# Altium PCB mod_duo_dwarf.PcbDoc (part 3 of 3)
Units mm, origin at the board's own origin, x right, y up, seen from the top; angles counter-clockwise.
Board outline 193.02 x 75.32 mm, 2 copper layers (Top Layer, Bottom Layer), stack 1.579 mm thick; 179 components, 157 nets, 691 pads, 335 vias.
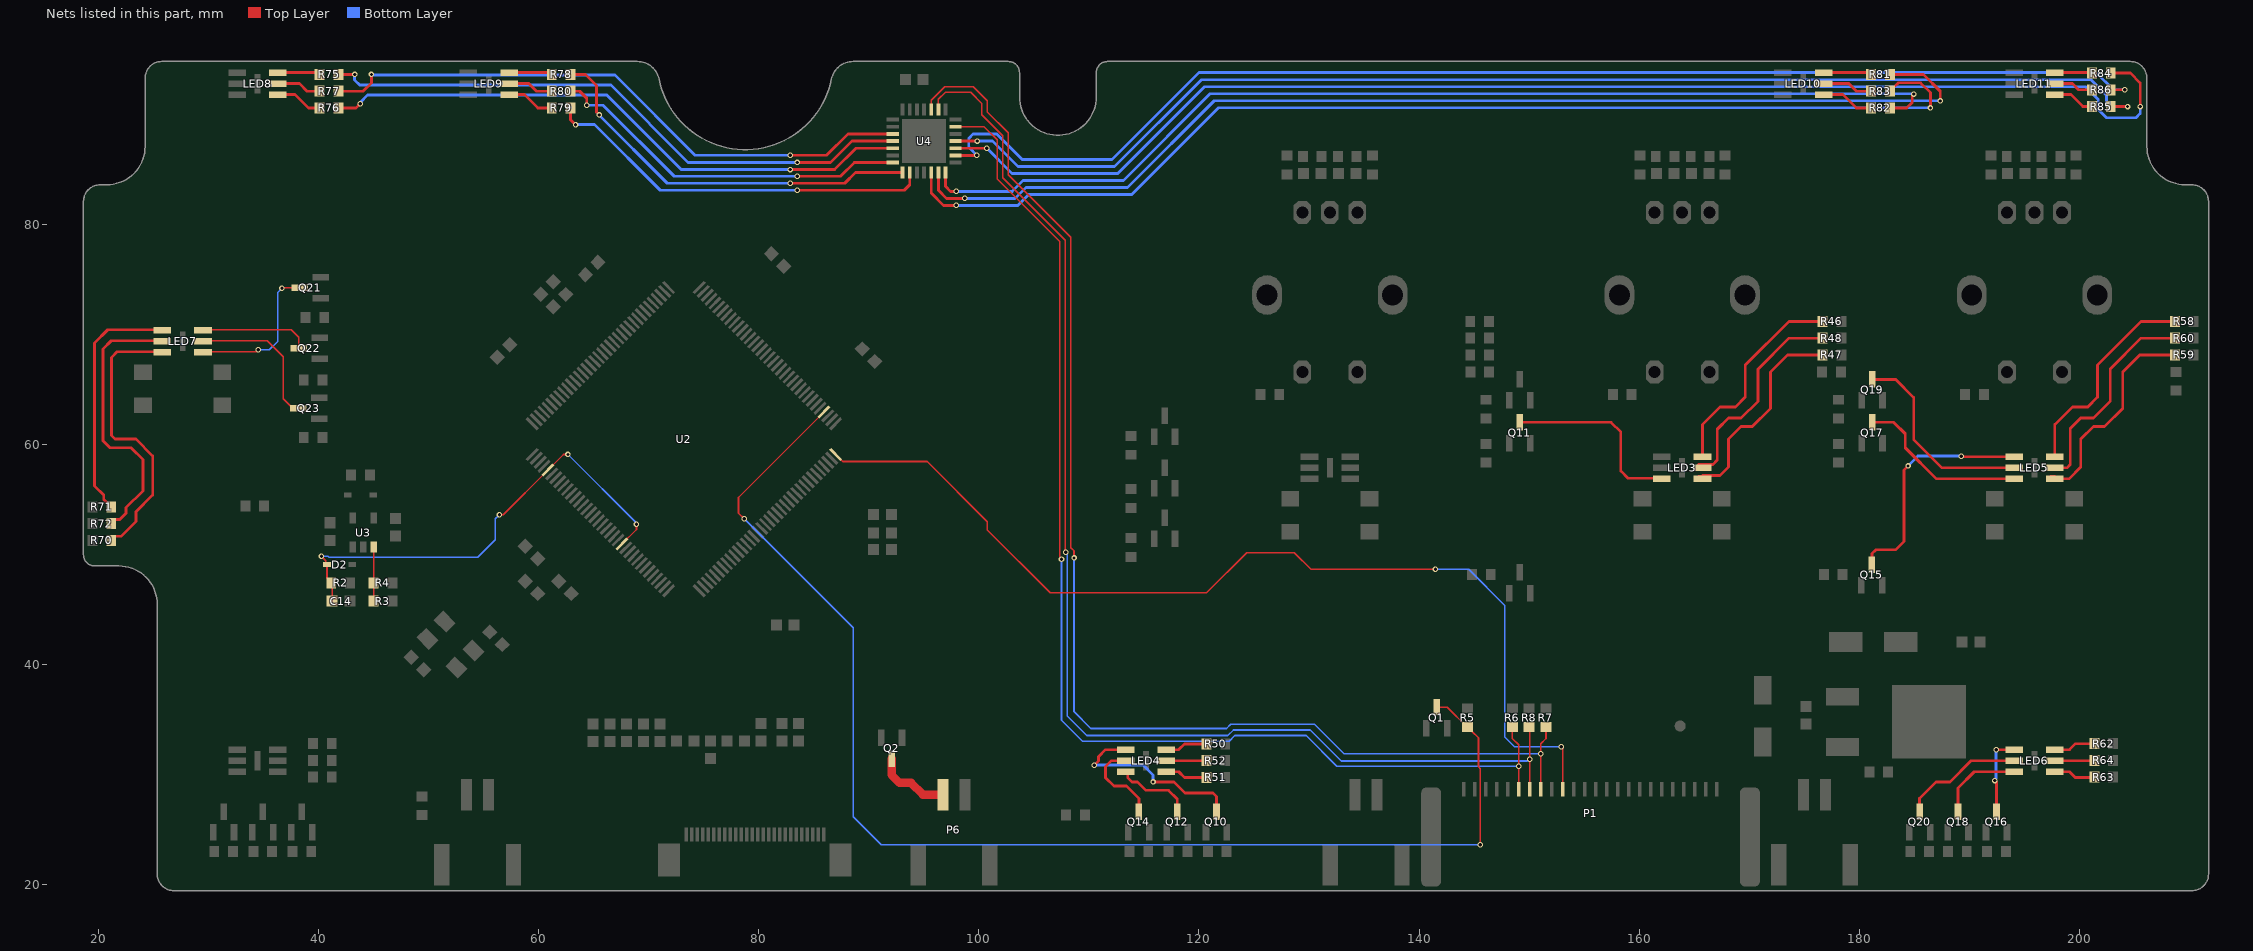
[diagram p3: the nets of this part, all layers, seen from the top]

## Via types
v1: diameter 0.5, hole 0.3, Top Layer to Bottom Layer, tented both sides, 335 vias

## Nets (pads, with @x,y where several pads share a name; then routed paths per layer and width w, separated by ;. In a path a pad name is that pad's centre, name@x,y a point inside that pad or via, vN(x,y) a via of type N, cw(c..) or ccw(c..) an arc to the next point about the centre after c; other vN are vias at no path point) (continued)
NetLED3_3: LED3.3 Q11.3 | length 17.1
  Top Layer w0.254: Q11.3@149.135,62 157.426,62 158.315,61.111 158.315,57.585 158.988,56.912 LED3.3@162.036,56.912
NetLED3_4: LED3.4 R47.1 | length 19.2
  Top Layer w0.254: LED3.4@165.361,57.066 LED3.4@165.736,57.066 ; 165.736,57.166 167.324,57.166 168.094,57.936 168.094,60.476 169.237,61.619 170.253,61.619 171.904,63.27 171.904,66.572 173.45,68.118 R47.1@176.642,68.118
NetLED3_5: LED3.5 R48.1 | length 19.4
  Top Layer w0.254: 165.361,58.166 166.673,58.166 167.078,58.571 167.078,61.365 168.094,62.381 169.237,62.381 170.761,63.905 170.761,66.826 173.577,69.642 R48.1@176.642,69.642
NetLED3_6: LED3.6 R46.1 | length 19.1
  Top Layer w0.254: 165.736,59.166 165.736,61.801 167.332,63.397 168.729,63.397 169.618,64.286 169.618,67.207 173.577,71.166 R46.1@176.642,71.166
NetLED4_1: LED4.1 Q10.3 | length 17.7
  Top Layer w0.254: v1(110.49,30.861) 110.871,31.242 110.871,31.623 111.514,32.266 LED4.1@113.336,32.266 ; v1(115.824,29.337) 117.729,29.337 118.745,28.321 121.285,28.321 121.587,28.019 Q10.3@121.587,26.65
  Bottom Layer w0.254: v1(110.49,30.861) 114.935,30.861 115.824,29.972 v1(115.824,29.337)
NetLED4_2: LED4.2 Q14.3 | length 8.1
  Top Layer w0.254: LED4.2@113.336,31.266 112.038,31.266 111.506,30.734 111.506,29.718 112.268,28.956 113.411,28.956 114.541,27.826 Q14.3@114.541,26.65
NetLED4_3: LED4.3 Q12.3 | length 7.1
  Top Layer w0.254: LED4.3@113.336,30.266 113.349,30.266 113.522,30.093 113.522,29.734 113.919,29.337 114.427,29.337 115.189,28.575 117.221,28.575 118.031,27.765 Q12.3@118.031,26.65
NetLED4_4: LED4.4 R51.1 | length 4.2
  Top Layer w0.254: LED4.4@116.661,30.166 LED4.4@117.036,30.166 ; LED4.4@117.036,30.266 118.163,30.266 118.687,29.742 R51.1@120.683,29.742
NetLED4_5: LED4.5 R52.1 | length 4
  Top Layer w0.254: LED4.5@116.661,31.266 R52.1@120.683,31.266
NetLED4_6: LED4.6 R50.1 | length 4.2
  Top Layer w0.254: LED4.6@116.661,32.366 LED4.6@117.036,32.366 ; LED4.6@117.036,32.266 118.163,32.266 118.687,32.79 R50.1@120.683,32.79
NetLED5_1: LED5.1 Q15.3 | length 22.1
  Top Layer w0.254: Q15.3@181.135,48.367 181.135,50.083 181.471,50.419 183.261,50.419 184.023,51.181 184.023,57.658 v1(184.404,58.039) ; v1(189.23,58.928) 189.297,58.928 189.359,58.866 LED5.1@194.036,58.866
  Bottom Layer w0.254: v1(184.404,58.039) 185.293,58.928 v1(189.23,58.928)
NetLED5_2: LED5.2 Q19.3 | length 18.5
  Top Layer w0.254: Q19.3@181.135,65.893 183.281,65.893 184.912,64.262 184.912,60.452 187.498,57.866 LED5.2@194.036,57.866
NetLED5_3: LED5.3 Q17.3 | length 15.8
  Top Layer w0.254: Q17.3@181.135,62 183.11,62 184.15,60.96 184.15,59.69 186.974,56.866 LED5.3@194.036,56.866
NetLED5_4: LED5.4 R59.1 | length 19.4
  Top Layer w0.254: LED5.4@197.361,57.066 LED5.4@197.736,57.066 ; LED5.4@197.736,56.866 199.024,56.866 200.094,57.936 200.094,60.476 201.237,61.619 202.253,61.619 203.904,63.27 203.904,66.572 205.45,68.118 R59.1@208.642,68.118
NetLED5_5: LED5.5 R60.1 | length 19.4
  Top Layer w0.254: LED5.5@197.736,57.866 198.836,57.866 199.136,58.166 199.136,61.423 200.094,62.381 201.237,62.381 202.761,63.905 202.761,66.826 205.577,69.642 R60.1@208.642,69.642
NetLED5_6: LED5.6 R58.1 | length 19.4
  Top Layer w0.254: LED5.6@197.736,58.866 197.736,61.801 199.332,63.397 200.729,63.397 201.618,64.286 201.618,67.207 205.577,71.166 R58.1@208.642,71.166
NetLED6_1: LED6.1 Q16.3 | length 7.4
  Top Layer w0.254: v1(192.278,29.464) 192.438,29.304 Q16.3@192.438,26.65 ; v1(192.405,32.258) 192.413,32.266 LED6.1@194.036,32.266
  Bottom Layer w0.254: v1(192.278,29.464) 192.278,29.531 192.405,29.658 v1(192.405,32.258)
NetLED6_2: LED6.2 Q20.3 | length 11.2
  Top Layer w0.254: Q20.3@185.453,26.65 185.453,27.846 186.944,29.337 188.214,29.337 190.143,31.266 LED6.2@194.036,31.266
NetLED6_3: LED6.3 Q18.3 | length 7.8
  Top Layer w0.254: Q18.3@188.943,26.65 188.943,28.796 190.413,30.266 LED6.3@194.036,30.266
NetLED6_4: LED6.4 R63.1 | length 4.2
  Top Layer w0.254: LED6.4@197.361,30.166 LED6.4@197.736,30.166 ; LED6.4@197.736,30.266 199.062,30.266 199.586,29.742 201.306,29.742 R63.1@201.328,29.764
NetLED6_5: LED6.5 R64.1 | length 4
  Top Layer w0.254: LED6.5@197.361,31.266 201.306,31.266 R64.1@201.328,31.288
NetLED6_6: LED6.6 R62.1 | length 4.2
  Top Layer w0.254: LED6.6@197.361,32.366 LED6.6@197.736,32.366 ; LED6.6@197.736,32.266 199.062,32.266 199.608,32.812 R62.1@201.328,32.812
NetLED7_1: LED7.1 Q21.3 | length 13.8
  Top Layer w0.152: LED7.1@29.536,68.412 34.376,68.412 v1(34.544,68.58) ; v1(36.703,74.168) 36.749,74.214 Q21.3@38.326,74.214
  Bottom Layer w0.152: v1(34.544,68.58) 35.56,68.58 36.322,69.342 36.322,73.787 v1(36.703,74.168)
NetLED7_2: LED7.2 Q23.3 | length 13.4
  Top Layer w0.152: LED7.2@29.536,69.412 35.363,69.412 36.83,67.945 36.83,64.135 37.449,63.516 37.975,63.516 Q23.3@38.199,63.292
NetLED7_3: LED7.3 Q22.3 | length 10
  Top Layer w0.152: LED7.3@29.536,70.412 37.538,70.412 38.235,69.715 Q22.3@38.235,68.731
NetLED7_4: LED7.4 R71.1 | length 22.2
  Top Layer w0.254: R71.1@21.202,54.318 21.202,54.368 20.879,54.691 20.829,54.691 20.516,55.004 20.516,55.396 19.685,56.227 19.685,69.215 20.882,70.412 LED7.4@25.836,70.412
NetLED7_5: LED7.5 R72.1 | length 25.6
  Top Layer w0.254: R72.1@21.202,52.794 21.202,52.844 21.525,53.167 21.97,53.167 22.548,53.745 22.548,54.253 24.072,55.777 24.072,58.618 23,59.69 21.082,59.69 20.447,60.325 20.447,68.662 21.197,69.412 LED7.5@25.836,69.412
NetLED7_6: LED7.6 R70.1 | length 26
  Top Layer w0.254: R70.1@21.202,51.27 21.202,51.32 21.525,51.643 22.097,51.643 23.437,52.983 23.437,53.872 24.961,55.396 24.961,58.952 23.437,60.476 21.532,60.476 21.209,60.799 21.209,67.9 21.721,68.412 LED7.6@25.836,68.412
NetLED8_4: LED8.4 R76.2 | length 4.3
  Top Layer w0.254: LED8.4@36.336,91.766 37.901,91.766 39.116,90.551 R76.2@40.132,90.551
NetLED8_5: LED8.5 R77.2 | length 4.1
  Top Layer w0.254: LED8.5@36.336,92.766 38.298,92.766 38.989,92.075 R77.2@40.132,92.075
NetLED8_6: LED8.6 R75.2 | length 3.9
  Top Layer w0.254: LED8.6@36.336,93.766 39.965,93.766 R75.2@40.132,93.599
NetLED9_4: LED9.4 R79.2 | length 4.4
  Top Layer w0.254: LED9.4@57.336,91.766 58.729,91.766 59.944,90.551 R79.2@61.214,90.551
NetLED9_5: LED9.5 R80.2 | length 4.2
  Top Layer w0.254: LED9.5@57.336,92.766 59.126,92.766 59.817,92.075 R80.2@61.214,92.075
NetLED9_6: LED9.6 R78.2 | length 3.9
  Top Layer w0.254: LED9.6@57.336,93.766 61.047,93.766 R78.2@61.214,93.599
NetLED10_4: LED10.4 R82.2 | length 4.8
  Top Layer w0.254: LED10.4@176.736,91.766 178.49,91.766 179.705,90.551 R82.2@181.047,90.551
NetLED10_5: LED10.5 R83.2 | length 4.6
  Top Layer w0.254: LED10.5@176.736,92.766 179.014,92.766 179.705,92.075 R83.2@181.047,92.075
NetLED10_6: LED10.6 R81.2 | length 4.4
  Top Layer w0.254: LED10.6@176.736,93.766 180.88,93.766 R81.2@181.047,93.599
NetLED11_4: LED11.4 R85.2 | length 3.8
  Top Layer w0.254: LED11.4@197.736,91.766 199.191,91.766 200.279,90.678 R85.2@201.113,90.678
NetLED11_5: LED11.5 R86.2 | length 3.6
  Top Layer w0.254: LED11.5@197.736,92.766 199.334,92.766 199.898,92.202 R86.2@201.113,92.202
NetLED11_6: LED11.6 R84.2 | length 3.4
  Top Layer w0.254: LED11.6@197.736,93.766 201.073,93.766 R84.2@201.113,93.726
NetP6_2: P6.2 Q2.3 | length 6.9
  Top Layer w0.762: Q2.3@92.075,31.435 92.075,29.972 92.793,29.254 93.853,29.254 94.919,28.188 P6.2@96.736,28.188
NetQ1_3: Q1.3 R5.2 U2.76 | length 117
  Top Layer w0.152: v1(78.682,53.237) 78.174,53.745 78.174,55.176 U2.76@85.931,62.933 ; Q1.3@141.605,36.129 142.549,36.129 144.349,34.329 R5.2@144.399,34.329 144.449,34.329 144.823,33.955 144.823,33.905 145.385,33.343 145.385,30.701 145.542,30.544 v1(145.542,23.622)
  Bottom Layer w0.152: v1(78.682,53.237) 88.588,43.331 88.588,26.186 91.152,23.622 v1(145.542,23.622)
NetR3_1: R3.1 R4.1 U3.3 | length 4.9
  Top Layer w0.152: R3.1@45.03,45.766 R4.1@45.03,47.417 45.052,47.439 U3.3@45.052,50.689
NetR75_1: R75.1 U4.4 | length 54.8
  Top Layer w0.254: R75.1@41.832,93.599 v1(43.307,93.599) ; v1(83.508,85.607) 86.541,85.607 88.483,87.549 U4.4@92.179,87.549
  Bottom Layer w0.254: v1(43.307,93.599) 43.307,93.091 43.766,92.632 44.189,92.632 66.577,92.632 73.602,85.607 v1(83.508,85.607)
NetR76_1: R76.1 U4.5 | length 54.5
  Top Layer w0.254: R76.1@41.832,90.551 43.434,90.551 v1(43.815,90.932) ; v1(82.873,84.957) 86.907,84.957 88.849,86.899 U4.5@92.179,86.899
  Bottom Layer w0.254: v1(43.815,90.932) 43.815,91.059 44.48,91.724 45.72,91.724 66.2,91.724 72.967,84.957 v1(82.873,84.957)
NetR77_1: R77.1 U4.3 | length 55.2
  Top Layer w0.254: R77.1@41.832,92.075 44.069,92.075 44.831,92.837 v1(44.831,93.599) ; v1(82.873,86.257) 86.175,86.257 88.117,88.199 U4.3@92.179,88.199
  Bottom Layer w0.254: v1@44.831,93.541 66.953,93.541 74.237,86.257 v1(82.873,86.257)
NetR78_1: R78.1 U4.8 | length 36.2
  Top Layer w0.254: R78.1@62.914,93.599 64.262,93.599 65.278,92.583 65.278,90.17 v1(65.532,89.916) ; v1(82.873,83.717) 87.826,83.717 88.808,84.699 U4.8@93.079,84.699
  Bottom Layer w0.254: v1@65.465,89.949 71.697,83.717 v1(82.873,83.717)
NetR79_1: R79.1 U4.9 | length 35.9
  Top Layer w0.254: R79.1@62.914,90.551 62.914,89.486 v1(63.373,89.027) ; v1(83.508,83.082) 93.229,83.082 93.729,83.582 U4.9@93.729,84.699
  Bottom Layer w0.254: v1(63.373,89.027) 63.397,89.051 65.093,89.051 71.062,83.082 v1(83.508,83.082)
NetR80_1: R80.1 U4.7 | length 33.4
  Top Layer w0.254: R80.1@62.914,92.075 63.754,92.075 64.389,91.44 v1(64.389,90.805) ; v1(83.508,84.352) 87.445,84.352 88.692,85.599 U4.7@92.179,85.599
  Bottom Layer w0.254: v1(64.389,90.805) 65.879,90.805 72.332,84.352 v1(83.508,84.352)
NetR81_1: R81.1 U4.13 | length 102.7
  Top Layer w0.254: U4.13@96.329,84.699 96.329,83.074 97.061,82.342 v1(98.712,82.342) ; R81.1@182.747,93.599 185.801,93.599 187.325,92.075 v1(187.325,91.186)
  Bottom Layer w0.254: v1(98.712,82.342) 103.284,82.342 104.278,83.336 113.51,83.336 121.384,91.21 187.301,91.21 v1(187.325,91.186)
NetR82_1: R82.1 U4.14 | length 96.1
  Top Layer w0.254: U4.14@96.979,84.699 96.979,83.44 97.442,82.977 v1(97.95,82.977) ; R82.1@182.747,90.551 184.277,90.551 184.785,91.059 184.785,91.694 v1(184.912,91.821)
  Bottom Layer w0.254: v1(97.95,82.977) 103.03,82.977 104.024,83.971 113.129,83.971 121.003,91.845 v1@184.854,91.845
NetR83_1: R83.1 U4.12 | length 102.5
  Top Layer w0.254: U4.12@95.679,84.699 95.679,82.835 96.807,81.707 v1(97.95,81.707) ; R83.1@182.747,92.075 182.747,92.125 183.07,92.448 183.12,92.448 183.509,92.837 185.547,92.837 186.436,91.948 v1(186.436,90.551)
  Bottom Layer w0.254: v1(97.95,81.707) 103.538,81.707 104.532,82.701 113.891,82.701 121.765,90.575 v1@186.378,90.575
NetR84_1: R84.1 U4.17 | length 119.5
  Top Layer w0.254: U4.17@97.879,86.899 v1(100.729,86.899) ; R84.1@202.813,93.726 204.597,93.726 205.486,92.837 v1(205.486,90.678)
  Bottom Layer w0.254: v1(100.729,86.899) 103.022,84.606 112.621,84.606 120.495,92.48 200.533,92.48 201.676,91.337 201.676,90.424 202.438,89.662 205.105,89.662 205.486,90.043 v1(205.486,90.678)
NetR85_1: R85.1 U4.18 | length 113.5
  Top Layer w0.254: U4.18@97.879,87.549 v1(99.855,87.549) ; R85.1@202.813,90.678 v1(204.343,90.678)
  Bottom Layer w0.254: v1(99.855,87.549) 101.252,87.549 103.56,85.241 112.337,85.241 120.211,93.115 201.017,93.115 202.438,91.694 202.438,91.186 202.946,90.678 v1(204.343,90.678)
NetR86_1: R86.1 U4.16 | length 115.1
  Top Layer w0.254: U4.16@97.879,86.249 v1(99.825,86.249) ; R86.1@202.813,92.202 v1(204.089,92.202)
  Bottom Layer w0.254: v1(99.825,86.249) 99.093,86.981 99.093,87.803 99.474,88.184 101.633,88.184 103.941,85.876 112.083,85.876 119.994,93.787 201.488,93.787 203.073,92.202 v1(204.089,92.202)
PM_LEDS_OE: P1.6 R6.1 U4.20 | length 109
  Top Layer w0.152: U4.20@97.879,88.849 100.474,88.849 101.669,87.654 101.669,84.098 107.348,78.419 107.348,77.875 107.348,53.11 107.348,49.811 107.511,49.648 v1(107.511,49.554) ; R6.1@148.463,34.329 148.463,33.274 149.036,32.701 149.036,30.885 P1.6@149.036,28.666
  Bottom Layer w0.152: v1(107.511,49.554) 107.511,34.949 109.416,33.044 122.751,33.044 123.259,33.552 129.736,33.552 132.525,30.763 v1(149.036,30.763)
PM_LEDS_SCL: P1.7 R8.1 U4.23 | length 114.3
  Top Layer w0.152: U4.23@96.329,90.399 96.329,91.331 96.97,91.972 99.256,91.972 100.272,90.956 100.272,89.94 102.177,88.035 102.177,84.225 107.856,78.546 107.856,53.11 107.856,50.225 v1(107.892,50.189) ; R8.1@149.987,34.329 150.036,34.28 v1(150.036,31.393) P1.7@150.036,28.666
  Bottom Layer w0.152: v1(107.892,50.189) 107.892,50.095 108.019,49.968 108.019,35.33 109.797,33.552 122.624,33.552 123.132,34.06 130.117,34.06 132.935,31.242 149.791,31.242 149.942,31.393 v1(150.036,31.393)
PM_LEDS_SDA: P1.8 R7.1 U4.24 | length 115.9
  Top Layer w0.152: U4.24@95.679,90.399 95.679,91.247 96.912,92.48 99.51,92.48 100.78,91.21 100.78,90.194 102.685,88.289 102.685,84.479 108.364,78.8 108.364,78.256 108.364,50.606 108.654,50.316 v1(108.654,49.681) ; P1.8@151.036,28.666 v1(151.036,31.901) 151.036,32.799 151.511,33.274 R7.1@151.511,34.329
  Bottom Layer w0.152: v1(108.654,49.681) 108.654,35.711 110.178,34.187 122.497,34.187 122.878,34.568 130.498,34.568 133.165,31.901 v1(151.036,31.901)
POWER_BUTTON: P1.10 U2.72 | length 91.3
  Top Layer w0.152: U2.72@86.992,59.079 87.627,58.444 95.319,58.444 100.78,52.983 100.78,52.221 106.495,46.506 120.674,46.506 124.333,50.165 128.651,50.165 130.175,48.641 v1(141.478,48.641) ; v1(152.913,32.536) 153.036,32.413 P1.10@153.036,28.666
  Bottom Layer w0.152: v1(141.478,48.641) 144.492,48.641 147.77,45.363 147.77,33.425 148.659,32.536 v1(152.913,32.536)
RESET: C14.1 D2.2 R2.2 U2.5 U2.24 | length 43.1
  Top Layer w0.152: v1(40.292,49.83) 40.69,49.432 40.69,49.171 D2.2@40.793,49.068 40.793,47.855 41.181,47.467 R2.2@41.181,47.417 41.27,47.328 C14.1@41.27,45.766 ; v1(56.457,53.618) 56.817,53.618 U2.5@60.864,57.665 62.278,59.079 v1(62.68,59.079) ; U2.24@67.582,50.948 68.903,52.269 v1(68.903,52.729)
  Bottom Layer w0.152: v1(40.292,49.83) 40.885,49.83 40.983,49.732 54.476,49.732 56.076,51.332 56.076,53.237 v1(56.457,53.618) ; v1(62.68,59.079) 68.836,52.923 68.836,52.796 v1(68.903,52.729)
pads on no net: E1.M E2.M E3.M LED1.M LED2.M LED3.M LED4.M LED5.M LED6.M LED7.M LED8.M LED9.M LED10.M LED11.M P1.M P2.M P3.M P4.M P5.M P6.M U2.1 U2.3 U2.4 U2.6 U2.7 U2.8 U2.10 U2.11 U2.13 U2.20 U2.21 U2.23 U2.25 U2.26 U2.27 U2.28 U2.34 U2.35 U2.37 U2.42 U2.43 U2.48 U2.58 U2.63 U2.64 U2.66 U2.67 U2.78 U2.81 U2.82 U2.83 U2.84 U2.85 U2.86 U2.87 U2.88 U2.91 U2.94 U2.95 U2.98 U2.100 U2.101 U2.104 U2.109 U2.115 U2.116 U2.118 U2.120 U2.122 U2.123 U2.124 U2.125 U2.126 U2.127 U2.128 U2.129 U2.130 U2.131 U2.132 U2.133 U4.6 U4.10 U4.15 U4.19
copper on no net:
  other v1: 188.12,26.716

## Polygon pours and split planes (outlines as drawn)
+3V3 on Top Layer "+3V3_L01_P034" (solid, pour order 34): 181.991,27.94 184.404,27.94 186.436,29.972 187.96,29.972 189.611,31.623 189.611,38.862 189.865,38.862 189.865,45.085 184.15,45.085 183.642,44.577 181.991,44.577
+12V on Top Layer "+12V_L01_P032" (solid, pour order 32): 162.814,27.686 167.894,27.686 167.894,19.812 162.814,19.812
+12V on Top Layer "+12V_L01_P031" (solid, pour order 31): 162.814,29.718 170.688,29.718 172.466,31.496 180.467,31.496 180.467,35.179 162.814,35.179
+3V3 on Top Layer "Top Layer-+3V3" (solid, pour order 28): 58.997,46.379 61.41,48.792 61.41,49.427 64.585,52.602 65.093,52.094 63.061,50.062 63.061,47.903 60.521,45.363 60.013,45.363
+3V3 on Top Layer "Top Layer-+3V3 3" (solid, pour order 26): 60.521,74.7 63.061,72.16 65.426,72.16 65.777,71.809 65.855,71.888 65.855,72.033 62.426,75.462 61.283,75.462
+3V3 on Top Layer "Top Layer-+3V3 4" (solid, pour order 24): 64.585,76.478 66.109,74.954 67.379,74.954 67.633,74.7 67.76,74.827 67.76,74.954 65.474,77.24 65.474,77.367
+3V3 on Top Layer "Top Layer-+3V3 5" (solid, pour order 22): 78.936,74.446 79.063,74.446 80.587,75.97 81.349,75.97 82.365,76.986 83.254,76.097 81.476,74.319 79.19,74.319 78.809,73.938 78.682,74.065 78.682,74.192
+3V3 on Top Layer "Top Layer-+3V3 6" (solid, pour order 20): 85.794,63.778 90.493,68.477 91.572,67.397 89.985,65.81 88.461,65.81 86.429,63.778
+3V3 on Top Layer "Top Layer-+3V3 7" (solid, pour order 18): 56.711,68.985 57.473,68.223 57.473,67.461 58.366,66.568 58.997,66.568 58.997,66.445 59.378,66.064 59.378,67.842 57.473,69.747
GND on Top Layer "Top Layer-GND" (solid, remove dead copper, pour order 12): 211.709,19.431 211.709,96.012 18.676,96.012 18.676,19.431
+3V3 on Top Layer "Top Layer-+3V3 2" (solid, pour order 0): 94.14,91.105 95.156,91.105 95.664,91.613 95.664,94.216 94.14,94.216
GND on Bottom Layer "Bottom Layer-GND" (solid, remove dead copper, pour order 16): 211.709,19.431 211.709,96.139 18.676,96.139 18.676,19.431

## Keep-outs
Keep-Out Layer:
  circle w0.013: c27.686,78.316 r1.625
  circle w0.02: c201.926,59.626 r1.125
  circle w0.02: c189.846,47.506 r1.125
  circle w0.02: c179.886,53.566 r1.625
  circle w0.02: c169.926,59.626 r1.125
  circle w0.02: c157.846,47.506 r1.125
  circle w0.02: c147.886,53.566 r1.625
  circle w0.02: c137.926,59.626 r1.125
  circle w0.02: c125.846,47.506 r1.125
  circle w0.02: c27.686,51.816 r1.625
  circle w0.02: c22.431,57.302 r1.125
  circle w0.02: c32.941,72.83 r1.125
  circle w0.02: c27.686,78.316 r1.625
  circle w0.013: c27.686,51.816 r3.125
  circle w0.013: c27.686,78.316 r3.125
  circle w0.013: c147.886,53.566 r3.125
  circle w0.013: c179.886,53.566 r3.125
  lines w0.013: 18.686,82.066 cw(c20.186,82.066) 20.186,83.566 20.786,83.566 ccw(c20.786,87.066) 24.286,87.066 24.286,93.266 cw(c25.786,93.266) 25.786,94.766 68.988,94.766 cw(c68.988,92.766) 70.948,93.166 ccw(c78.786,94.766) 86.624,93.166 cw(c88.584,92.766) 88.584,94.766 102.686,94.766 cw(c102.686,93.766) 103.686,93.766 103.686,91.566 ccw(c107.186,91.566) 110.686,91.566 110.686,93.766 cw(c111.686,93.766) 111.686,94.766 204.586,94.766 cw(c204.586,93.266) 206.086,93.266 206.086,87.066 ccw(c209.586,87.066) 209.586,83.566 210.186,83.566 cw(c210.186,82.066) 211.686,82.066 211.686,20.966 cw(c210.186,20.966) 210.186,19.466 26.886,19.466 cw(c26.886,20.966) 25.386,20.966 25.386,43.762
  lines w0.02: 18.686,49.966 ccw(c19.686,49.966) 19.686,48.966 21.886,48.966 cw(c21.886,45.466) 25.386,45.466 25.386,20.966 ccw(c26.886,20.966) 26.886,19.466 210.186,19.466 ccw(c210.186,20.966) 211.686,20.966 211.686,82.066 ccw(c210.186,82.066) 210.186,83.566 209.586,83.566 cw(c209.586,87.066) 206.086,87.066 206.086,93.266 ccw(c204.586,93.266) 204.586,94.766 111.686,94.766 ccw(c111.686,93.766) 110.686,93.766 110.686,91.566 cw(c107.186,91.566) 103.686,91.566 103.686,93.766 ccw(c102.686,93.766) 102.686,94.766 88.584,94.766 ccw(c88.584,92.766) 86.624,93.166 cw(c78.786,94.766) 70.948,93.166 ccw(c68.988,92.766) 68.988,94.766 25.786,94.766 ccw(c25.786,93.266) 24.286,93.266 24.286,87.066 cw(c20.786,87.066) 20.786,83.566 20.186,83.566 ccw(c20.186,82.066) 18.686,82.066 18.686,49.966

## Other copper
Top Layer:
  pour cut-out: 162.433,29.719 147.32,29.719 147.32,27.685 162.433,27.685

## Silkscreen, mask and mechanical layers (free items; w line width, h text height)
Top Overlay:
  text "DISP" at 77.597,25.654 h0.8
  text "FS-C" at 181.356,22.479 h0.8 r90
  text "FS-B" at 130.81,21.971 h0.8 r90
  text "FS-A" at 49.91,21.352 h0.8 r90
  text "DISP-BL" at 93.345,21.209 h0.8 r90
Bottom Overlay:
  drawing of 7 lines, arcs and shapes, not listed
  text "MOD Audio UG / http:/mod.audio /  / [MDD-PCB-002]  / MOD Dwarf - controller board / Rev.: MDW-PCB-002-V3.0 / Date: 2023-02-22" at 207.137,26.289 h0.8
Mechanical 1:
  drawing of 151 lines, arcs and shapes, not listed
Mechanical 3:
  circle w0.02: c19.922,70.321 r1.125
  circle w0.02: c35.45,59.811 r1.125
Mechanical 5:
  circle w0.02: c27.686,51.816 r3.125
  circle w0.02: c27.686,78.316 r3.125
  circle w0.02: c147.886,53.566 r3.125
  circle w0.02: c179.886,53.566 r3.125
Mechanical 6:
  lines w0.02: 51.036,20.736 50.536,20.736 50.536,27.516 51.536,27.516 51.536,25.916 57.436,25.916 57.436,27.516 58.436,27.516 58.436,20.736 57.936,20.736 ; 51.286,19.916 51.286,22.836 ; 53.236,23.916 53.236,20.916 53.736,20.916 53.736,23.916 ; 53.236,25.916 53.236,28.516 53.736,28.516 53.736,25.916 ; 53.486,20.916 53.486,23.916 ; 53.486,25.916 53.486,28.516 ; 55.236,23.916 55.236,20.916 55.736,20.916 55.736,23.916 ; 55.236,25.916 55.236,28.516 55.736,28.516 55.736,25.916 ; 55.486,20.916 55.486,23.916 ; 55.486,25.916 55.486,28.516 ; 57.686,19.916 57.686,22.836 ; 131.736,20.736 131.236,20.736 131.236,27.516 132.236,27.516 132.236,25.916 138.136,25.916 138.136,27.516 139.136,27.516 139.136,20.736 138.636,20.736 ; 131.986,19.916 131.986,22.836 ; 133.936,23.916 133.936,20.916 134.436,20.916 134.436,23.916 ; 133.936,25.916 133.936,28.516 134.436,28.516 134.436,25.916 ; 134.186,20.916 134.186,23.916 ; 134.186,25.916 134.186,28.516 ; 135.936,23.916 135.936,20.916 136.436,20.916 136.436,23.916 ; 135.936,25.916 135.936,28.516 136.436,28.516 136.436,25.916 ; 136.186,20.916 136.186,23.916 ; 136.186,25.916 136.186,28.516 ; 138.386,19.916 138.386,22.836 ; 172.436,20.736 171.936,20.736 171.936,27.516 172.936,27.516 172.936,25.916 178.836,25.916 178.836,27.516 179.836,27.516 179.836,20.736 179.336,20.736 ; 172.686,19.916 172.686,22.836 ; 174.636,23.916 174.636,20.916 175.136,20.916 175.136,23.916 ; 174.636,25.916 174.636,28.516 175.136,28.516 175.136,25.916 ; 174.886,20.916 174.886,23.916 ; 174.886,25.916 174.886,28.516 ; 176.636,23.916 176.636,20.916 177.136,20.916 177.136,23.916 ; 176.636,25.916 176.636,28.516 177.136,28.516 177.136,25.916 ; 176.886,20.916 176.886,23.916 ; 176.886,25.916 176.886,28.516 ; 179.086,19.916 179.086,22.836 ; 51.536,19.916 51.036,19.916 51.036,22.836 51.536,22.836 51.536,19.916 ; 51.536,19.916 52.136,19.916 ; 52.136,19.916 52.136,23.916 56.836,23.916 56.836,19.916 ; 52.136,19.916 56.836,19.916 ; 56.836,19.916 57.436,19.916 ; 57.436,19.916 57.436,22.836 57.936,22.836 57.936,19.916 57.436,19.916 ; 132.236,19.916 132.836,19.916 ; 132.236,19.916 131.736,19.916 131.736,22.836 132.236,22.836 132.236,19.916 ; 132.836,19.916 132.836,23.916 137.536,23.916 137.536,19.916 ; 132.836,19.916 137.536,19.916 ; 137.536,19.916 138.136,19.916 ; 138.136,19.916 138.136,22.836 138.636,22.836 138.636,19.916 138.136,19.916 ; 172.936,19.916 172.436,19.916 172.436,22.836 172.936,22.836 172.936,19.916 ; 172.936,19.916 173.536,19.916 ; 173.536,19.916 173.536,23.916 178.236,23.916 178.236,19.916 ; 173.536,19.916 178.236,19.916 ; 178.236,19.916 178.836,19.916 ; 178.836,19.916 178.836,22.836 179.336,22.836 179.336,19.916 178.836,19.916
Mechanical 7:
  lines w0.02: 141.236,21.016 141.236,26.516 169.836,26.516 169.836,21.016 ; 143.911,26.516 143.911,27.516 144.161,27.516 144.161,26.516 ; 144.036,26.516 144.036,27.016 ; 145.036,26.516 145.036,27.016 ; 146.036,26.516 146.036,27.016 ; 147.036,26.516 147.036,27.016 ; 148.036,26.516 148.036,27.016 ; 149.036,26.516 149.036,27.016 ; 150.036,26.516 150.036,27.016 ; 151.036,26.516 151.036,27.016 ; 152.036,26.516 152.036,27.016 ; 153.036,26.516 153.036,27.016 ; 154.036,26.516 154.036,27.016 ; 155.036,26.516 155.036,27.016 ; 155.536,19.466 155.536,94.766 ; 156.036,26.516 156.036,27.016 ; 157.036,26.516 157.036,27.016 ; 158.036,26.516 158.036,27.016 ; 159.036,26.516 159.036,27.016 ; 160.036,26.516 160.036,27.016 ; 161.036,26.516 161.036,27.016 ; 162.036,26.516 162.036,27.016 ; 163.036,26.516 163.036,27.016 ; 164.036,26.516 164.036,27.016 ; 165.036,26.516 165.036,27.016 ; 166.036,26.516 166.036,27.016 ; 166.911,26.516 166.911,27.516 167.161,27.516 167.161,26.516 ; 167.036,26.516 167.036,27.016 ; 140.636,19.816 140.636,21.016 170.436,21.016 170.436,19.816 140.636,19.816
Mechanical 8:
  circle w0.01: c131.886,73.566 r0.005
  circle w0.01: c163.886,73.566 r0.005
  circle w0.01: c195.886,73.566 r0.005
  circle w0.01: c27.686,69.666 r0.005
  circle w0.01: c131.886,57.866 r0.005
  circle w0.01: c163.886,57.866 r0.005
  circle w0.01: c195.886,57.866 r0.005
  circle w0.01: c195.886,31.266 r0.005
  circle w0.01: c115.186,31.266 r0.005
  circle w0.01: c34.486,92.766 r0.005
  circle w0.01: c34.486,31.266 r0.005
  circle w0.01: c55.486,92.766 r0.005
  circle w0.01: c174.886,92.766 r0.005
  circle w0.01: c195.886,92.766 r0.005
  lines w0.02: 32.886,31.266 34.486,31.266 ; 32.886,92.766 34.486,92.766 ; 34.486,29.866 34.486,31.266 ; 34.486,32.666 34.486,31.266 ; 34.486,91.366 34.486,92.766 ; 34.486,94.166 34.486,92.766 ; 36.086,31.266 34.486,31.266 ; 36.086,92.766 34.486,92.766 ; 53.886,92.766 55.486,92.766 ; 55.486,91.366 55.486,92.766 ; 55.486,94.166 55.486,92.766 ; 57.086,92.766 55.486,92.766 ; 113.586,31.266 115.186,31.266 ; 115.186,29.866 115.186,31.266 ; 115.186,32.666 115.186,31.266 ; 116.786,31.266 115.186,31.266 ; 125.786,73.566 131.886,73.566 ; 130.286,57.866 131.886,57.866 ; 131.886,56.466 131.886,57.866 ; 131.886,59.266 131.886,57.866 ; 131.886,66.966 131.886,73.566 ; 131.886,80.166 131.886,73.566 ; 133.486,57.866 131.886,57.866 ; 137.986,73.566 131.886,73.566 ; 157.786,73.566 163.886,73.566 ; 162.286,57.866 163.886,57.866 ; 163.886,56.466 163.886,57.866 ; 163.886,59.266 163.886,57.866 ; 163.886,66.966 163.886,73.566 ; 163.886,80.166 163.886,73.566 ; 165.486,57.866 163.886,57.866 ; 169.986,73.566 163.886,73.566 ; 173.286,92.766 174.886,92.766 ; 174.886,91.366 174.886,92.766 ; 174.886,94.166 174.886,92.766 ; 176.486,92.766 174.886,92.766 ; 189.786,73.566 195.886,73.566 ; 194.286,31.266 195.886,31.266 ; 194.286,57.866 195.886,57.866 ; 194.286,92.766 195.886,92.766 ; 195.886,29.866 195.886,31.266 ; 195.886,32.666 195.886,31.266 ; 195.886,56.466 195.886,57.866 ; 195.886,59.266 195.886,57.866 ; 195.886,66.966 195.886,73.566 ; 195.886,80.166 195.886,73.566 ; 195.886,91.366 195.886,92.766 ; 195.886,94.166 195.886,92.766 ; 197.486,31.266 195.886,31.266 ; 197.486,57.866 195.886,57.866 ; 197.486,92.766 195.886,92.766 ; 201.986,73.566 195.886,73.566 ; 26.086,68.266 26.086,71.066 29.286,71.066 29.286,68.266 26.086,68.266 ; 32.886,29.866 32.886,32.666 36.086,32.666 36.086,29.866 32.886,29.866 ; 32.886,91.366 36.086,91.366 36.086,94.166 32.886,94.166 32.886,91.366 ; 53.886,91.366 57.086,91.366 57.086,94.166 53.886,94.166 53.886,91.366 ; 113.586,29.866 113.586,32.666 116.786,32.666 116.786,29.866 113.586,29.866 ; 125.786,66.966 125.786,80.166 137.986,80.166 137.986,66.966 125.786,66.966 ; 130.286,56.466 130.286,59.266 133.486,59.266 133.486,56.466 130.286,56.466 ; 157.786,66.966 157.786,80.166 169.986,80.166 169.986,66.966 157.786,66.966 ; 162.286,56.466 162.286,59.266 165.486,59.266 165.486,56.466 162.286,56.466 ; 173.286,91.366 176.486,91.366 176.486,94.166 173.286,94.166 173.286,91.366 ; 189.786,66.966 189.786,80.166 201.986,80.166 201.986,66.966 189.786,66.966 ; 194.286,29.866 194.286,32.666 197.486,32.666 197.486,29.866 194.286,29.866 ; 194.286,56.466 194.286,59.266 197.486,59.266 197.486,56.466 194.286,56.466 ; 194.286,91.366 194.286,94.166 197.486,94.166 197.486,91.366 194.286,91.366
Mechanical 10:
  circle w0.02: c31.175,61.577 r1.2
  circle w0.02: c31.175,68.555 r1.2
  circle w0.02: c24.197,68.555 r1.2
  circle w0.02: c24.197,61.577 r1.2
  circle w0.02: c200.186,53.566 r1.2
  circle w0.02: c191.586,53.566 r1.2
  circle w0.02: c168.186,53.566 r1.2
  circle w0.02: c159.586,53.566 r1.2
  circle w0.02: c136.186,53.566 r1.2
  circle w0.02: c127.586,53.566 r1.2
  lines w0.02: 206.829,50.471 ccw(c122.886,53.566) 206.829,56.661 ; 206.829,50.471 cw(c201.832,50.655) 201.982,45.657 cw(c195.886,249.566) 189.79,45.657 cw(c189.94,50.655) 184.943,50.471 cw(c268.886,53.566) 184.943,56.661 cw(c189.94,56.477) 189.79,61.475 cw(c195.886,-142.434) 201.982,61.475 cw(c201.832,56.477) 206.829,56.661 ; 18.574,59.742 ccw(c22.568,59.948) 22.362,55.954 ccw(c27.686,158.816) 33.01,55.954 ccw(c32.804,59.948) 36.798,59.742 ccw(c-66.064,65.066) 36.798,70.39 ccw(c32.804,70.184) 33.01,74.178 ccw(c27.686,-28.684) 22.362,74.178 ccw(c22.568,70.184) 18.574,70.39 ccw(c121.436,65.066) 18.574,59.742 ; 21.57,59.897 ccw(c22.568,59.948) 22.517,58.95 ccw(c27.686,158.816) 32.855,58.95 ccw(c32.804,59.948) 33.802,59.897 ccw(c-66.064,65.066) 33.802,70.235 ccw(c32.804,70.184) 32.855,71.182 ccw(c27.686,-28.684) 22.517,71.182 ccw(c22.568,70.184) 21.57,70.235 ccw(c121.436,65.066) 21.57,59.897 ; 120.943,50.471 cw(c204.886,53.566) 120.943,56.661 cw(c125.94,56.477) 125.79,61.475 cw(c131.886,-142.434) 137.982,61.475 cw(c137.832,56.477) 142.829,56.661 cw(c58.886,53.566) 142.829,50.471 cw(c137.832,50.655) 137.982,45.657 cw(c131.886,249.566) 125.79,45.657 cw(c125.94,50.655) 120.943,50.471 ; 124.94,50.618 ccw(c125.94,50.655) 125.91,49.655 ccw(c131.886,249.566) 137.862,49.655 ccw(c137.832,50.655) 138.832,50.618 ccw(c58.886,53.566) 138.832,56.514 ccw(c137.832,56.477) 137.862,57.477 ccw(c131.886,-142.434) 133.886,57.556 133.886,59.666 129.886,59.666 129.886,57.556 ccw(c131.886,-142.434) 125.91,57.477 ccw(c125.94,56.477) 124.94,56.514 ccw(c204.886,53.566) 124.94,50.618 ; 152.943,50.471 cw(c236.886,53.566) 152.943,56.661 cw(c157.94,56.477) 157.79,61.475 cw(c163.886,-142.434) 169.982,61.475 cw(c169.832,56.477) 174.829,56.661 cw(c90.886,53.566) 174.829,50.471 cw(c169.832,50.655) 169.982,45.657 cw(c163.886,249.566) 157.79,45.657 cw(c157.94,50.655) 152.943,50.471 ; 156.94,50.618 ccw(c157.94,50.655) 157.91,49.655 ccw(c163.886,249.566) 169.862,49.655 ccw(c169.832,50.655) 170.832,50.618 ccw(c90.886,53.566) 170.832,56.514 ccw(c169.832,56.477) 169.862,57.477 ccw(c163.886,-142.434) 165.886,57.556 165.886,59.666 161.886,59.666 161.886,57.556 ccw(c163.886,-142.434) 157.91,57.477 ccw(c157.94,56.477) 156.94,56.514 ccw(c236.886,53.566) 156.94,50.618 ; 188.94,50.618 ccw(c189.94,50.655) 189.91,49.655 ccw(c195.886,249.566) 201.862,49.655 ccw(c201.832,50.655) 202.832,50.618 ccw(c122.886,53.566) 202.832,56.514 ccw(c201.832,56.477) 201.862,57.477 ccw(c195.886,-142.434) 197.886,57.556 197.886,59.666 193.886,59.666 193.886,57.556 ccw(c195.886,-142.434) 189.91,57.477 ccw(c189.94,56.477) 188.94,56.514 ccw(c268.886,53.566) 188.94,50.618
Mechanical 11:
  lines w0.02: 25.436,62.816 25.436,67.316 29.936,67.316 29.936,62.816 25.436,62.816 ; 129.636,51.316 129.636,55.816 134.136,55.816 134.136,51.316 129.636,51.316 ; 161.636,51.316 161.636,55.816 166.136,55.816 166.136,51.316 161.636,51.316 ; 193.636,51.316 193.636,55.816 198.136,55.816 198.136,51.316 193.636,51.316
Mechanical 12:
  lines w0.02: 39.286,37.016 36.286,37.016 cw(c36.286,39.516) 36.286,42.016 39.286,42.016 ; 39.286,81.716 36.286,81.716 cw(c36.286,84.216) 36.286,86.716 39.286,86.716 ; 118.286,37.016 121.286,37.016 ccw(c121.286,39.516) 121.286,42.016 118.286,42.016 ; 118.286,81.716 121.286,81.716 ccw(c121.286,84.216) 121.286,86.716 118.286,86.716 ; 39.286,35.516 39.286,88.216 118.286,88.216 118.286,35.516 39.286,35.516
Mechanical 14:
  lines w0.02: 72.916,19.466 72.916,35.516 ; 79.666,19.466 79.666,35.516 ; 86.416,19.466 86.416,35.516 ; 95.486,19.466 95.486,35.516 ; 97.736,19.466 97.736,35.516 ; 99.986,19.466 99.986,35.516
Mechanical 15:
  lines w0.02: 70.991,20.916 70.991,24.316 88.341,24.316 88.341,20.916 ; 73.316,24.316 73.316,25.316 73.516,25.316 73.516,24.316 ; 73.416,24.316 73.416,24.816 ; 73.916,24.316 73.916,24.816 ; 74.416,24.316 74.416,24.816 ; 74.916,24.316 74.916,24.816 ; 75.416,24.316 75.416,24.816 ; 75.916,24.316 75.916,24.816 ; 76.416,24.316 76.416,24.816 ; 76.916,24.316 76.916,24.816 ; 77.416,24.316 77.416,24.816 ; 77.916,24.316 77.916,24.816 ; 78.416,24.316 78.416,24.816 ; 78.916,24.316 78.916,24.816 ; 79.416,24.316 79.416,24.816 ; 79.916,24.316 79.916,24.816 ; 80.416,24.316 80.416,24.816 ; 80.916,24.316 80.916,24.816 ; 81.416,24.316 81.416,24.816 ; 81.916,24.316 81.916,24.816 ; 82.416,24.316 82.416,24.816 ; 82.916,24.316 82.916,24.816 ; 83.416,24.316 83.416,24.816 ; 83.916,24.316 83.916,24.816 ; 84.416,24.316 84.416,24.816 ; 84.916,24.316 84.916,24.816 ; 85.416,24.316 85.416,24.816 ; 85.816,24.316 85.816,25.316 86.016,25.316 86.016,24.316 ; 85.916,24.316 85.916,24.816 ; 94.286,20.736 93.786,20.736 93.786,27.516 94.786,27.516 94.786,25.916 100.686,25.916 100.686,27.516 101.686,27.516 101.686,20.736 101.186,20.736 ; 94.536,19.916 94.536,22.836 ; 96.486,23.916 96.486,20.916 96.986,20.916 96.986,23.916 ; 96.486,25.916 96.486,28.516 96.986,28.516 96.986,25.916 ; 96.736,20.916 96.736,23.916 ; 96.736,25.916 96.736,28.516 ; 98.486,23.916 98.486,20.916 98.986,20.916 98.986,23.916 ; 98.486,25.916 98.486,28.516 98.986,28.516 98.986,25.916 ; 98.736,20.916 98.736,23.916 ; 98.736,25.916 98.736,28.516 ; 100.936,19.916 100.936,22.836 ; 94.786,19.916 94.286,19.916 94.286,22.836 94.786,22.836 94.786,19.916 ; 94.786,19.916 95.386,19.916 ; 95.386,19.916 95.386,23.916 100.086,23.916 100.086,19.916 ; 95.386,19.916 100.086,19.916 ; 100.086,19.916 100.686,19.916 ; 100.686,19.916 100.686,22.836 101.186,22.836 101.186,19.916 100.686,19.916 ; 70.341,19.816 70.341,20.916 88.991,20.916 88.991,19.816 70.341,19.816